# Altium PCB SPG300 Rev05.PcbDoc (part 2 of 8) (continued)
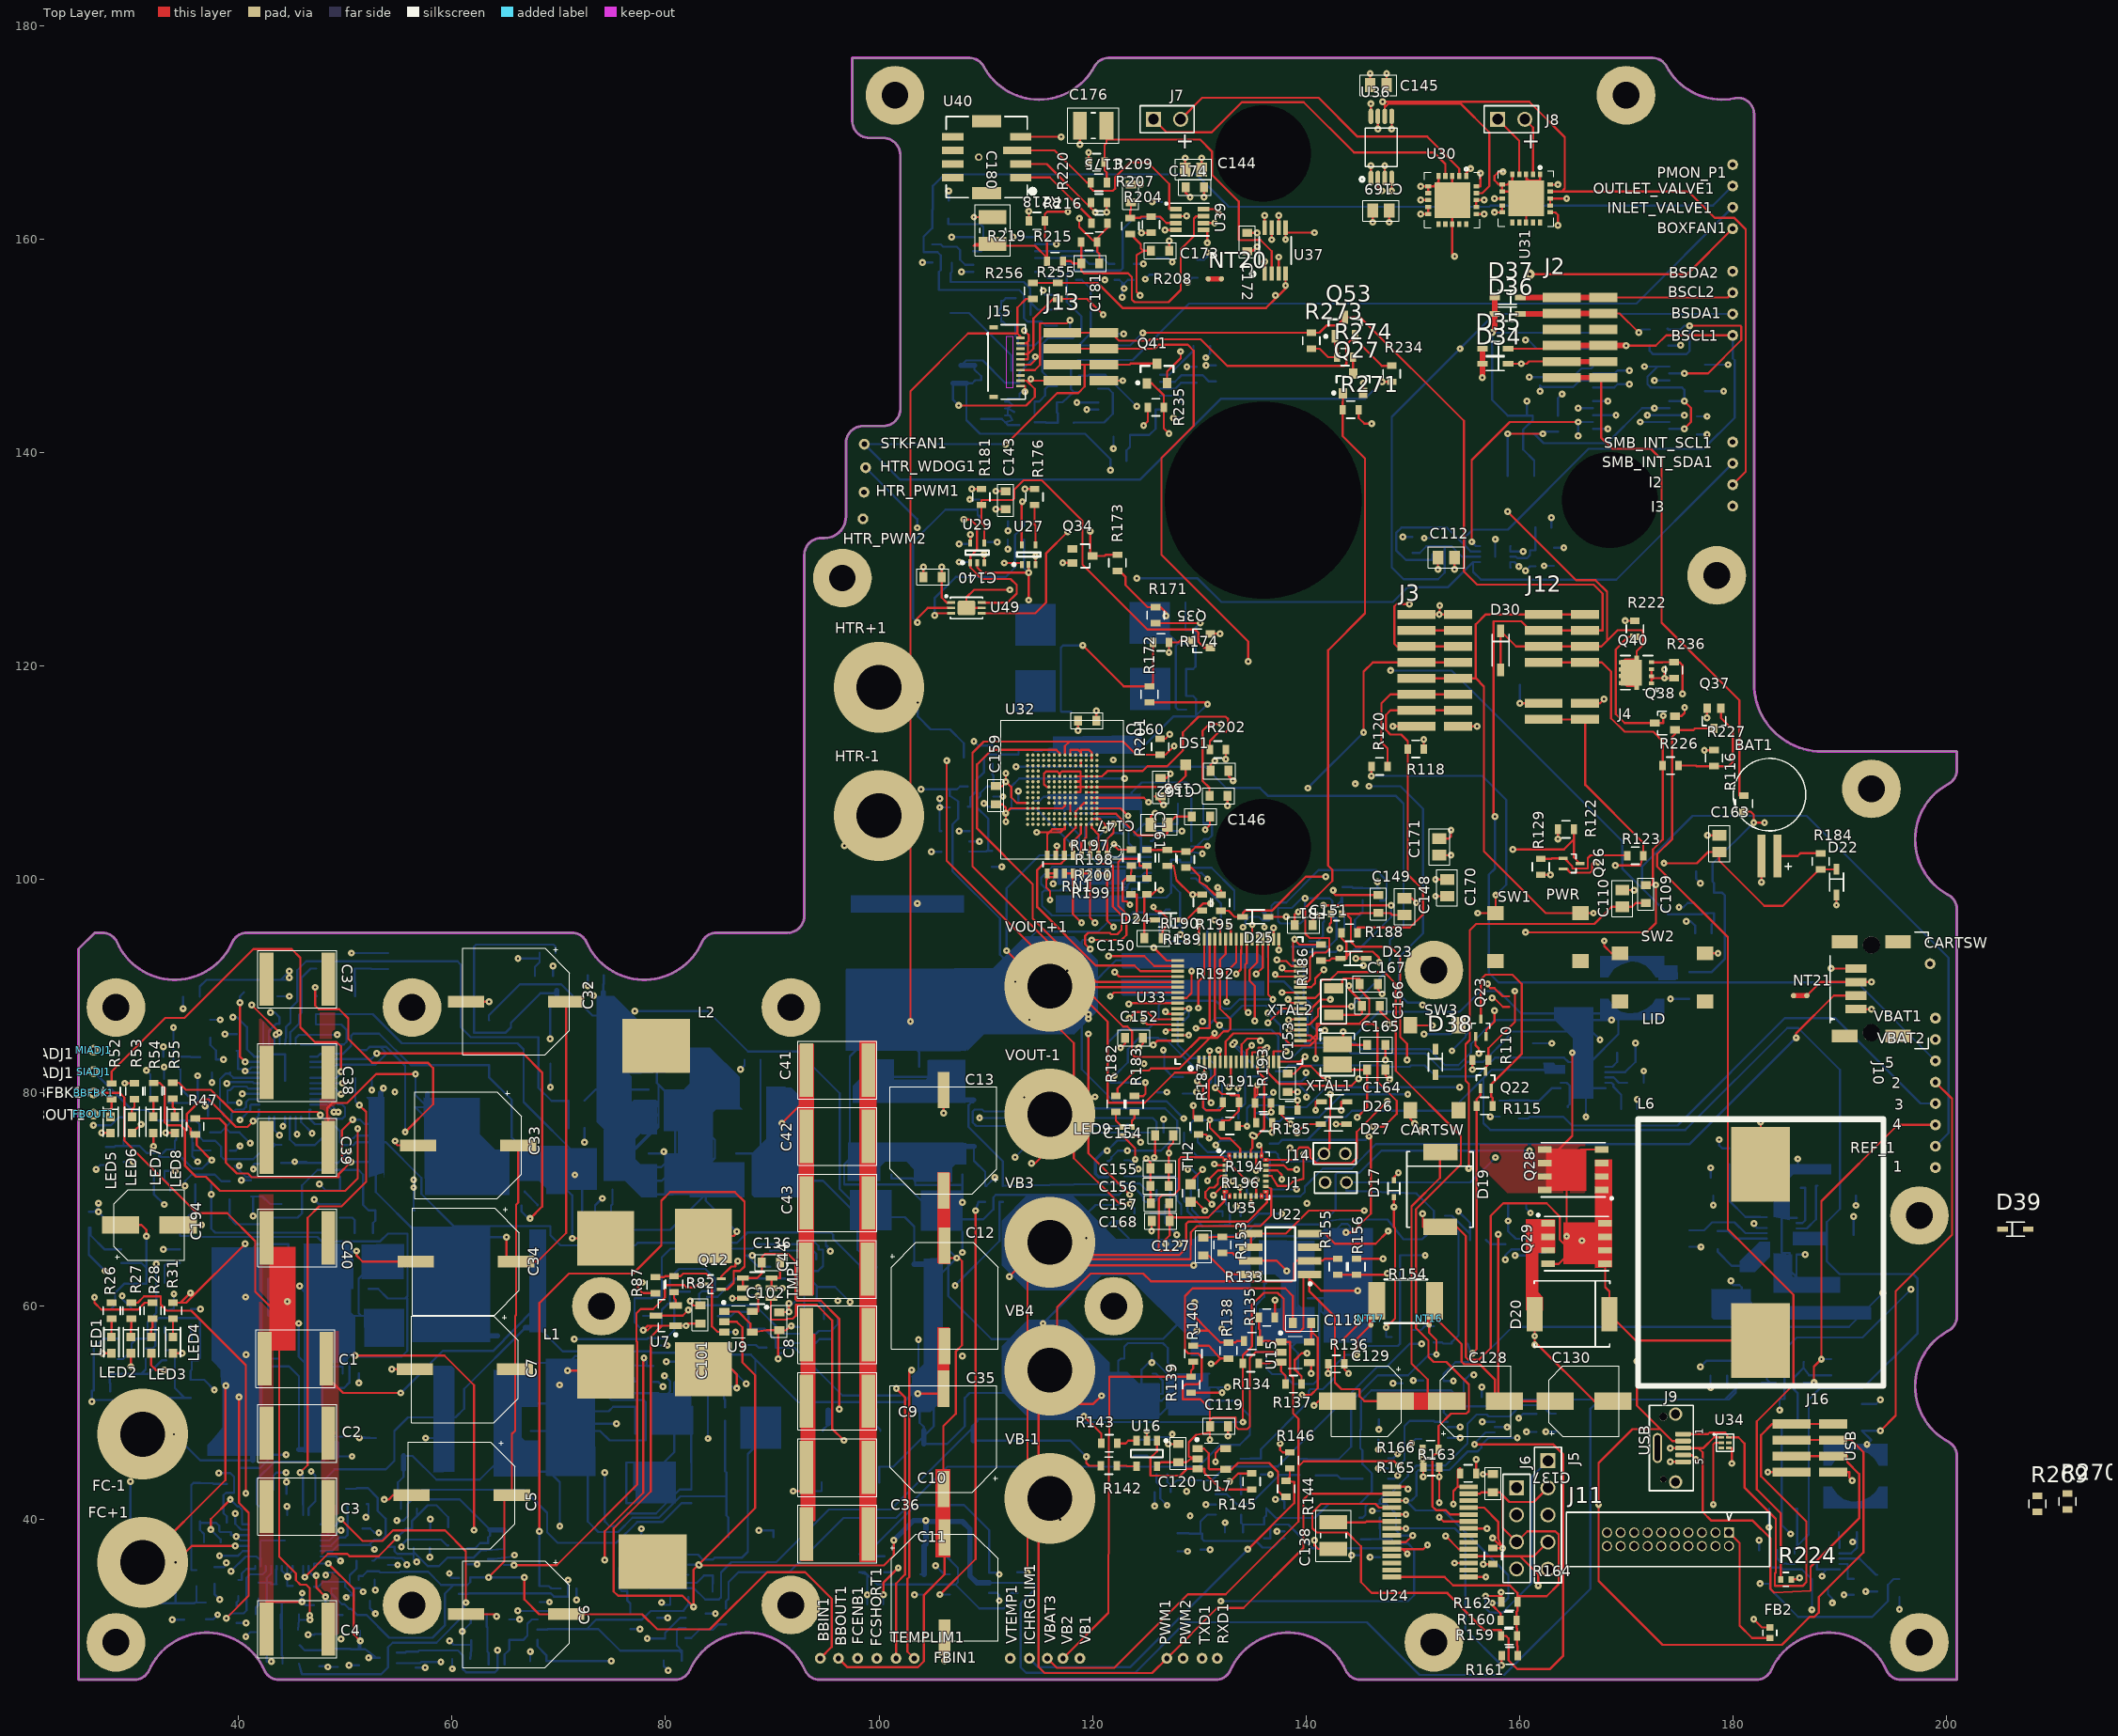
[diagram p0: Top Layer view]
## Components (designator, comment, footprint, x,y, rotation, side; value= is the part's Value field where it differs from the comment) (continued)
XTAL2 "XTAL1" CTS-TF32L 142.601,88.55 r270 top value=8MHz

## Footprints (in the part's own frame and the unit in brackets; to place one, negate y for a bottom-side part, rotate by r counter-clockwise, add the part's x,y. Pads: shape width x height; smd on the part's side, far side on the other; paste and mask are expansions set on the pad)
3221-20-0100 [mm] "CnC Tech 20Pos Header 1.27mm Pitch Verticle TH"
  rect 0.954x0.954 hole 0.7 unplated: 1(5.715,0.635)
  round 0.954 hole 0.7 unplated: 2(5.715,-0.635) 3(4.445,0.635) 4(4.445,-0.635) 5(3.175,0.635) 6(3.175,-0.635) 7(1.905,0.635) 8(1.905,-0.635) 9(0.635,0.635) 10(0.635,-0.635) 11(-0.635,0.635) 12(-0.635,-0.635) 13(-1.905,0.635) 14(-1.905,-0.635) 15(-3.175,0.635) 16(-3.175,-0.635) 17(-4.445,0.635) 18(-4.445,-0.635) 19(-5.715,0.635) 20(-5.715,-0.635)
  silkscreen extent -9.53,-2.54 9.53,2.54, body extent -9.5,-2.55 9.5,2.58, height 5.4
7466003 [mm] "Wurth 7466003 Power Connector"
  rect 1.5x1.5 smd: 1(0.075,-3.15)
  body extent -3.5,-3.5 3.5,3.5, height 5.05
BGA-153 [mm] "Micron BGA-153 ball grid 0.5 pitch"
  round 0.3 smd mask+0.05: A1(-3.25,3.25) A2(-2.75,3.25) A3(-2.25,3.25) A4(-1.75,3.25) A5(-1.25,3.25) A6(-0.75,3.25) A7(-0.25,3.25) A8(0.25,3.25) A9(0.75,3.25) A10(1.25,3.25) A11(1.75,3.25) A12(2.25,3.25) A13(2.75,3.25) A14(3.25,3.25) B1(-3.25,2.75) B2(-2.75,2.75) B3(-2.25,2.75) B4(-1.75,2.75) B5(-1.25,2.75) B6(-0.75,2.75) B7(-0.25,2.75) B8(0.25,2.75) B9(0.75,2.75) B10(1.25,2.75) B11(1.75,2.75) B12(2.25,2.75) B13(2.75,2.75) B14(3.25,2.75) C1(-3.25,2.25) C2(-2.75,2.25) C3(-2.25,2.25) C4(-1.75,2.25) C5(-1.25,2.25) C6(-0.75,2.25) C7(-0.25,2.25) C8(0.25,2.25) C9(0.75,2.25) C10(1.25,2.25) C11(1.75,2.25) C12(2.25,2.25) C13(2.75,2.25) C14(3.25,2.25) D1(-3.25,1.75) D2(-2.75,1.75) D3(-2.25,1.75) D4(-1.75,1.75) D12(2.25,1.75) D13(2.75,1.75) D14(3.25,1.75) E1(-3.25,1.25) E2(-2.75,1.25) E3(-2.25,1.25) E5(-1.25,1.25) E6(-0.75,1.25) E7(-0.25,1.25) E8(0.25,1.25) E9(0.75,1.25) E10(1.25,1.25) E12(2.25,1.25) E13(2.75,1.25) E14(3.25,1.25) F1(-3.25,0.75) F2(-2.75,0.75) F3(-2.25,0.75) F5(-1.25,0.75) F6(-0.75,0.75) F7(-0.25,0.75) F8(0.25,0.75) F9(0.75,0.75) F10(1.25,0.75) F12(2.25,0.75) F13(2.75,0.75) F14(3.25,0.75) G1(-3.25,0.25) G2(-2.75,0.25) G3(-2.25,0.25) G5(-1.25,0.25) G6(-0.75,0.25) G7(-0.25,0.25) G8(0.25,0.25) G9(0.75,0.25) G10(1.25,0.25) G12(2.25,0.25) G13(2.75,0.25) G14(3.25,0.25) H1(-3.25,-0.25) H2(-2.75,-0.25) H3(-2.25,-0.25) H5(-1.25,-0.25) H6(-0.75,-0.25) H7(-0.25,-0.25) H8(0.25,-0.25) H9(0.75,-0.25) H10(1.25,-0.25) H12(2.25,-0.25) H13(2.75,-0.25) H14(3.25,-0.25) J1(-3.25,-0.75) J2(-2.75,-0.75) J3(-2.25,-0.75) J5(-1.25,-0.75) J6(-0.75,-0.75) J7(-0.25,-0.75) J8(0.25,-0.75) J9(0.75,-0.75) J10(1.25,-0.75) J12(2.25,-0.75) J13(2.75,-0.75) J14(3.25,-0.75) K1(-3.25,-1.25) K2(-2.75,-1.25) K3(-2.25,-1.25) K5(-1.25,-1.25) K6(-0.75,-1.25) K7(-0.25,-1.25) K8(0.25,-1.25) K9(0.75,-1.25) K10(1.25,-1.25) K12(2.25,-1.25) K13(2.75,-1.25) K14(3.25,-1.25) L1(-3.25,-1.75) L2(-2.75,-1.75) L3(-2.25,-1.75) L12(2.25,-1.75) L13(2.75,-1.75) L14(3.25,-1.75) M1(-3.25,-2.25) M2(-2.75,-2.25) M3(-2.25,-2.25) M4(-1.75,-2.25) M5(-1.25,-2.25) M6(-0.75,-2.25) M7(-0.25,-2.25) M8(0.25,-2.25) M9(0.75,-2.25) M10(1.25,-2.25) M11(1.75,-2.25) M12(2.25,-2.25) M13(2.75,-2.25) M14(3.25,-2.25) N1(-3.25,-2.75) N2(-2.75,-2.75) N3(-2.25,-2.75) N4(-1.75,-2.75) N5(-1.25,-2.75) N6(-0.75,-2.75) N7(-0.25,-2.75) N8(0.25,-2.75) N9(0.75,-2.75) N10(1.25,-2.75) N11(1.75,-2.75) N12(2.25,-2.75) N13(2.75,-2.75) N14(3.25,-2.75) P1(-3.25,-3.25) P2(-2.75,-3.25) P3(-2.25,-3.25) P4(-1.75,-3.25) P5(-1.25,-3.25) P6(-0.75,-3.25) P7(-0.25,-3.25) P8(0.25,-3.25) P9(0.75,-3.25) P10(1.25,-3.25) P11(1.75,-3.25) P12(2.25,-3.25) P13(2.75,-3.25) P14(3.25,-3.25)
  silkscreen extent -5.75,-6.5 5.75,6.5, body extent -5.75,-6.5 5.75,6.5, height 1
"C&K PTE645-SMT" [mm] "C&K Momentary SPST TAC Switch"
  rect 1.55x1.3 smd: 1(-3.975,2.25) 2(3.975,2.25) 3(-3.975,-2.25) 4(3.975,-2.25)
  body extent -4.5,-3 4.5,3, height 4.3
"CAPAE CASE 10.2mm x 10.5mm" [mm] "Capacitor, Aluminum Elecrolytic , Polarized, Case 10.2mm x 10.5mm"
  rect 1.1x3.4 smd: 1(0,4.7) 2(0,-4.7)
  silkscreen extent -5.08,-5 5,5, body extent -5.25,-6.03 5.25,5.97, height 10.5
"CAPAE CASE D8" [mm] "Capacitor, Aluminum Elecrolytic , Polarized, Case D8 6.3 x 7.7"
  rect 1.6x3.5 smd: 1(0,2.7) 2(0,-2.7)
  silkscreen extent -3.3,-3.3 3.3,3.3, body extent -3.3,-3.56 3.3,3.44, height 7.7
"CAPC 0402 (1005 Metric)_H0.55N" [mm] "Chip Capacitor, Body 1.0x 0.5mm,Height 0.55mm, IPC Medium Density"
  rect 0.43x0.62 smd mask+0.07: 1(-0.575,0) 2(0.575,0)
  silkscreen extent -0.92,-0.46 0.92,0.46, body extent -0.6,-0.25 0.4,0.25, height 0.59
"CAPC 0603 (1608 Metric) H0.8L" [mm] "Chip Capacitor, Body 1.6x0.8mm, Height 0.8mm, IPC High Density"
  rect 0.75x0.95 smd: 1(-0.85,0) 2(0.85,0)
  silkscreen extent -1.5,-0.75 1.5,0.75, body extent -0.8,-0.4 0.8,0.4, height 0.8
"CAPC 0805 (2012 Metric)_H0.85" [mm] "Chip Capacitor, 2-Leads, Body 2.00x1.25mm, IPC High Density"
  rect 1x1.3 smd: 1(-0.775,0) 2(0.775,0)
  silkscreen extent -1.7,-1 1.7,1, body extent -1.05,-0.63 1.05,0.63, height 0.9
"CAPC 0805 (2012 Metric)_H1.25" [mm] "Chip Capacitor, 2-Leads, Body 2.00x1.25mm, IPC High Density"
  rect 1x1.3 smd: 1(-0.775,0) 2(0.775,0)
  silkscreen extent -1.7,-1 1.7,0.96, body extent -1.05,-0.63 1.05,0.63, height 1.26
"CAPC 1210 (3225 Metric)_H1.9" [mm] "Chip Capacitor, 2-Leads, Body 3.15x2.50mm, IPC High Density"
  rect 1.3x2.6 smd: 1(-1.25,0) 2(1.25,0)
  silkscreen extent -2.4,-1.65 2.4,1.65, body extent -1.7,-1.35 1.7,1.35, height 2
"CAPC 1210 (3225 Metric)_H2.5" [mm] "Chip Capacitor, 2-Leads, Body 3.15x2.50mm, IPC High Density"
  rect 1.3x2.6 smd: 1(-1.25,0) 2(1.25,0)
  silkscreen extent -2.4,-1.65 2.4,1.65, body extent -1.7,-1.35 1.7,1.35, height 2.5
"CAPC 1210 (3225 Metric)_H2.8" [mm] "Chip Capacitor, 2-Leads, Body 3.15x2.50mm, IPC High Density"
  rect 1.3x2.6 smd: 1(-1.25,0) 2(1.25,0)
  silkscreen extent -2.4,-1.65 2.4,1.65, body extent -1.7,-1.38 1.7,1.35, height 2.8
"CAPC 2220 (5750 Metric)" [mm] "Chip Capacitor, Body 5.7x5.0mm, Height 2.5mm, IPC Medium Density"
  rect 1.3x5 smd: 1(-2.9,0) 2(2.9,0)
  silkscreen extent -3.7,-2.7 3.7,2.7, body extent -2.85,-3.3 2.85,2.5, height 2.58
"CONN FPC 10 Pos 0.5mm T+B RA SMD" [mm] "Omron XF2W-1015 10Pos Top+Bottom Contact  0.5mm Pitch"
  rect 0.25x0.8 smd mask+0.065: 1(-2.25,1.25) 2(-1.75,1.25) 3(-1.25,1.25) 4(-0.75,1.25) 5(-0.25,1.25) 6(0.25,1.25) 7(0.75,1.25) 8(1.25,1.25) 9(1.75,1.25) 10(2.25,1.25)
  rect 0.4x0.8 smd mask+0.065: 11(-3.25,-1.25) 12(3.25,-1.25)
  Top Layer keep-out region: -2.375,0.575 -2.375,-0.1 2.375,-0.1 2.375,0.575
  silkscreen extent -3.5,-1.9 3.5,1.72, body extent -3.5,-1.85 3.5,1.65, height 1.09
"CONN HDR 2Pos 2mm TH" [mm] "Header 2 Position 2.0mm Pitch Through Hole"
  round 1.2 hole 0.8: 1(-2,0) 2(0,0)
  silkscreen extent -3,-1 1,1, body extent -3,-1 1,1, height 5.9
"CONN Hdr 4Pos 2.54mm VERT TH" [mm] "Header 4 Position 2.54mm Pitch Verticle Through Hole"
  rect 1.4x1.4 / inner round 1.2 / far side round 1.2 hole 1: 1(-3.81,0)
  round 1.4 / inner round 1.2 / far side round 1.2 hole 1: 2(-1.27,0) 3(1.27,0) 4(3.81,0)
  silkscreen extent -5.08,-1.27 5.08,1.27, body extent -5.08,-1.27 5.08,1.27, height 8.34
"CONN Hdr 5Pos 2.54mm" [mm] "Header 5 Position 2.54mm Pitch"
  rect 1.4x1.4 hole 1: 1(5.08,0)
  round 1.4 hole 1: 2(2.54,0) 3(0,0) 4(-2.54,0) 4(-2.54,0)
  round 1.4 hole 1 paste-0.2: 5(-5.08,0)
  silkscreen extent -6.35,-1.27 6.35,1.27, body extent -6.35,-1.27 6.35,1.27, height 8.34
"CONN Rect 4Pos 1.27mm Verticle Entry SMT" [mm] "ERNI 284697 Top Entry"
  rect 0.8x2 smd: 1(1.905,-1.45) 2(0.635,-1.45) 3(-0.635,-1.45) 4(-1.905,-1.45)
  rect 1.2x2.4 smd: 5(4.415,-2.5) 6(-4.415,-2.5)
  rect 1.2x2.4 smd mask+0.05: 7(-4.415,2.5) 8(4.415,2.5)
  round 1.6 hole 1.6 unplated mask+0.05: 9(-4.115,0) 10(4.115,0)
  silkscreen extent -5.3,-3.88 5.6,5.33, body extent -5.08,-3.43 5.08,3.57, height 5.2
"CONN USB Micro B Vert - GCT3160" [mm] "GCT USB3160-30-0120-0-C"
  rrect50% 0.45x1.5 smd mask+0.065: 1(1.3,-1.35) 2(0.65,-1.35) 3(0,-1.35) 4(-0.65,-1.35) 5(-1.3,-1.35)
  round 1.25 hole 0.85: 6(-3.18,-0.65)
  round 1.25 hole 0.85 unplated: 7(3.18,-0.65)
  round 0.75 hole 0.75 unplated paste-4 mask-4: 22(2.925,0.5)
  round 0.6 hole 0.6 unplated paste-4 mask-4: 23(-2.925,0.5)
  oval 2.8x0.9 hole 0.5 slot 2.4 at 0 deg: 23(0,1.05)
  silkscreen extent -4,-2.3 4,1.8, body extent -3.68,-1.55 3.82,1.46, height 5.3
CTS-TF32L [mm] "CTS Crystal TF32 Series 3.2 x 1.5 h=0.8mm"
  rect 1x1.8 smd: 1(-1.25,0) 2(1.25,0)
  silkscreen extent -2.08,-1.2 2.07,1.2, body extent -1.6,-0.75 1.6,0.75, height 0.8
DFN3x3-8EP_N [mm] "DFN3x3 h=0.9mm, 8 Lead, Pitch 0.65mm Exposed Pad"
  rect 0.6x0.4 smd: D1(1.35,-0.975) D2(1.35,-0.325) D3(1.35,0.325) D4(1.35,0.975)
  rect 0.43x0.76 smd: D4(0,-1.225) D4(0,1.225)
  rect 2x2.45 smd: D4(0.51,0)
  rect 0.5x0.35 smd: G(-1.4,-0.975) S1(-1.4,0.975) S2(-1.4,0.325) S3(-1.4,-0.325)
  silkscreen extent -2,-1.6 1.5,1.7, body extent -1.43,-1.62 1.57,1.38, height 0.9
DFN6-EP_LTC [mm] "DFN6 Body 2.0 x 3.0 H0.75 LTC 05-08-1715A"
  rect 0.75x0.25 smd paste-0.02 mask+0.065: 1(-1.425,0.5) 2(-1.425,0) 3(-1.425,-0.5) 4(1.425,-0.5) 5(1.425,0) 6(1.425,0.5)
  rrect20% 1.65x1.35 smd paste-0.175 mask+0.05: 7(0,0)
  silkscreen extent -2,-1 1.5,1.2, body extent -1.5,-1 1.5,1, height 0.75
"DFN10-EP - LTC" [mm] "LTC DFN10 w/EP Body 3.0x3.0mm Pitch .5 Height: .75mm"
  rect 0.675x0.25 smd mask+0.05: 1(-1.412,1) 2(-1.412,0.5) 3(-1.412,0) 4(-1.412,-0.5) 5(-1.412,-1) 6(1.413,-1) 7(1.413,-0.5) 8(1.413,0) 9(1.413,0.5) 10(1.413,1)
  rect 1.65x2.38 smd paste-1 mask+0.05: 11(0,0)
  silkscreen extent -2.25,-1.63 1.87,1.63, body extent -1.5,-1.5 1.5,1.5, height 1
DFN16-EP [mm] "LTC Ref DWG#05-08-1707"
  rect 0.7x0.25 smd paste-0.2: 1(-1.9,1.75) 2(-1.9,1.25) 3(-1.9,0.75) 4(-1.9,0.25) 5(-1.9,-0.25) 6(-1.9,-0.75) 7(-1.9,-1.25) 8(-1.9,-1.75) 9(1.9,-1.75) 10(1.9,-1.25) 11(1.9,-0.75) 12(1.9,-0.25) 13(1.9,0.25) 14(1.9,0.75) 15(1.9,1.25) 16(1.9,1.75)
  rrect25% 2.44x4.34 smd paste-0.2: 17(0,0)
  silkscreen extent -2.43,2.18 -2.18,2.42, body extent -2,-2.5 2,2.5, height 0.75
DFN1410-6 [mm]
  rect 0.525x0.25 smd mask+0.05: 1(-0.363,0.5) 2(-0.363,0) 3(-0.363,-0.5) 4(0.363,-0.5) 5(0.363,0) 6(0.363,0.5)
  silkscreen extent -1.1,-0.83 0.82,0.85, body extent -0.5,-0.7 0.5,0.7, height 0.4
DO214AB-SMC [mm] "DO214AB (SMC)  7.11mm x 6.22mm x 2.45mm Diode"
  rect 1.52x3.2 smd: A(3.5,0)
  rect 1.52x3.21 smd: C(-3.5,0)
  silkscreen extent -3.55,-3.13 3.55,3.07, body extent -4.05,-3.13 4,3.12, height 2.94
DO214AC-SMA [mm] "DO214AC (SMA)  4.5mm x 2.8mm x 2.3mm Diode"
  rect 1.52x1.68 smd: A(1.7,0) C(-1.7,0)
  silkscreen extent -2.25,-1.4 2.25,1.4, body extent -2.85,-1.47 2.75,1.48, height 2.9
DO214AD-SMB [mm] "DO214AC (SMA)  4.5mm x 3.95mm x 2.45mm Diode"
  rect 1.62x2.18 smd: A(2.11,0) C(-2.11,0)
  silkscreen extent -2.25,-1.4 2.25,1.4, body extent -2.79,-1.97 2.79,1.97, height 2.65
"FB 0402 (1005 Metric)_L" [mm] "Ferrite Bead , Body 1.0x0.5mm, Height 0.5mm, IPC High Density"
  rect 0.6x0.65 smd mask+0.07: 1(-0.5,0) 2(0.5,0)
  silkscreen extent -0.25,-0.65 0.25,0.65, body extent -0.5,-0.25 0.5,0.25, height 0.5
"FDK ML621 Battery" [mm] "Panasonic Battery - Lithium Magnanese 3V 5.8mAh Coin 6.8 x 2.1 w/SMD Tabs"
  rect 0.75x4 smd: MINUS(-0.75,-5.75) PLUS(0.75,-5.75)
  silkscreen extent -3.4,-7.02 3.4,3.4, body extent -3.45,-3.37 3.35,3.43, height 2.1
"ICSP1451 Top Barb" [mm] "Measurement Specialities Pressure Sensor"
  rect 2.02x0.71 smd: 1(-3.18,1.905) 2(-3.18,0.635) 4(-3.18,-1.905) 5(3.18,-1.905) 6(3.18,-0.635) 7(3.18,0.635) 8(3.18,1.905)
  rect 2.65x0.71 smd: 3(-2.865,-0.635)
  rect 2.74x1.14 smd: 9(0,3.36) 10(0,-3.36)
  round 0.7 hole 0.4: 11(0.76,0)
  silkscreen extent -4.6,-3.8 3.8,3.8, body extent -3.83,-3.83 3.79,3.79, height 9.14
IND-MDWK4040 [mm] "Inductor, MDWK4040 Body 4.0X4.0mm, Height  1.0mm"
  rect 1.2x3.7 smd: 1(-1.4,0) 2(1.4,0)
  silkscreen extent -2.25,-2.25 2.25,2.25, body extent -2,-2 2,2, height 1
IND-MSS6132 [mm] "Coilcraft 6132Pkg Inductor 6.0 x 6.0 H=3.0mm"
  rect 0.4x0.4 smd paste-0.02 mask+0.065: 1(0.1,2.7) 2(0.1,-2.7)
  Top Layer region: -3,3 -3,1 -2.221,1 -2.206,1.003 -2.193,1.011 -2.185,1.024 -2.182,1.039 -2.182,1.039 -1.7,1.7 -1.1,2.2 -0.3,2.4 0.6,2.3 1.4,1.9 1.9,1.5 2.2,1 3,1 3,3
  Top Layer region: -3,-3 -3,-1 -2.225,-1 -1.7,-1.8 -1,-2.2 -0.1,-2.5 0.6,-2.4 1.3,-2.1 1.8,-1.6 2.221,-1.009 3,-1 3,-3
  Top Layer region: -2.7,1.2
  Top Layer keep-out lines w0.254: -2.225,-1 ccw(c0,0) 2.221,-1.009 ; -2.182,1.039 cw(c0,0) 2.2,1
  body extent -2.8,-2.8 2.8,2.8, height 2.85
IND-WE-7443641500 [mm] "Wurth 15uH, 30A"
  rect 5.33x5.08 smd: 1(-4.225,-9.232) 2(4.95,-9.008)
  rect 6.35x5.08 smd: ""(0.525,8.808)
  body extent -10.39,-10.83 11.11,10.17, height 14
IND-XEL4030 [mm] "Coilcraft XEL4030 4.0x4.0"
  rect 3.4x0.98 smd mask+0.05: 1(0,1.185) 2(0,-1.185)
  silkscreen extent -2.1,-2.1 2.1,2.1, body extent -2,-2 2,2, height 3.1
LED0603 [mm] "SingleLED EIA0603 Case"
  rect 0.8x0.8 smd: A(0,0.75) C(0,-0.75)
  silkscreen extent -0.7,-1.67 0.7,1.07, body extent -0.4,-0.8 0.4,0.8, height 0.8
LQFP64P [mm] "QFN, 64-Leads, ST Micro - Body 7.5 x 7.5mm, Pitch 0.5mm, IPC Low Density"
  rect 1.2x0.3 smd mask+0.05: 1(-5.75,3.75) 2(-5.75,3.25) 3(-5.75,2.75) 4(-5.75,2.25) 5(-5.75,1.75) 6(-5.75,1.25) 7(-5.75,0.75) 8(-5.75,0.25) 9(-5.75,-0.25) 10(-5.75,-0.75) 11(-5.75,-1.25) 12(-5.75,-1.75) 13(-5.75,-2.25) 14(-5.75,-2.75) 15(-5.75,-3.25) 16(-5.75,-3.75) 33(5.75,-3.75) 34(5.75,-3.25) 35(5.75,-2.75) 36(5.75,-2.25) 37(5.75,-1.75) 38(5.75,-1.25) 39(5.75,-0.75) 40(5.75,-0.25) 41(5.75,0.25) 42(5.75,0.75) 43(5.75,1.25) 44(5.75,1.75) 45(5.75,2.25) 46(5.75,2.75) 47(5.75,3.25) 48(5.75,3.75)
  rect 0.3x1.2 smd mask+0.05: 17(-3.75,-5.75) 18(-3.25,-5.75) 19(-2.75,-5.75) 20(-2.25,-5.75) 21(-1.75,-5.75) 22(-1.25,-5.75) 23(-0.75,-5.75) 24(-0.25,-5.75) 25(0.25,-5.75) 26(0.75,-5.75) 27(1.25,-5.75) 28(1.75,-5.75) 29(2.25,-5.75) 30(2.75,-5.75) 31(3.25,-5.75) 32(3.75,-5.75) 49(3.75,5.75) 50(3.25,5.75) 51(2.75,5.75) 52(2.25,5.75) 53(1.75,5.75) 54(1.25,5.75) 55(0.75,5.75) 56(0.25,5.75) 57(-0.25,5.75) 58(-0.75,5.75) 59(-1.25,5.75) 60(-1.75,5.75) 61(-2.25,5.75) 62(-2.75,5.75) 63(-3.25,5.75) 64(-3.75,5.75)
  silkscreen extent -6.53,-5.97 5.97,6, body extent -5.75,-5.75 5.75,5.75, height 1.6
"Molex 0874370273" [mm] "Pico-Spox 2 Pos 1.5mm pitch"
  rect 0.85x2.65 smd: 1(-0.75,2.175) 2(0.75,2.175)
  rect 0.85x3.55 smd: 1(-0.75,-1.725) 2(0.75,-1.725)
  body extent -2.15,-2.97 2.15,3.03, height 5.73
"Molex 0874370443" [mm] "Pico-Spox 4 Pos 1.5mm pitch"
  rect 0.85x2.65 smd: 1(-2.25,2.175) 2(-0.75,2.175) 3(0.75,2.175) 4(2.25,2.175)
  rect 0.85x3.55 smd: 1(-2.25,-1.725) 2(-0.75,-1.725) 3(0.75,-1.725) 4(2.25,-1.725)
  body extent -3.6,-3.1 3.7,2.9, height 5.68
"Molex 0874370643" [mm] "Pico-Spox 6 Pos 1.5mm pitch"
  rect 0.85x2.65 smd: 1(-3.75,2.175) 2(-2.25,2.175) 3(-0.75,2.175) 4(0.75,2.175) 5(2.25,2.175) 6(3.75,2.175)
  rect 0.85x3.55 smd: 1(-3.75,-1.725) 2(-2.25,-1.725) 3(-0.75,-1.725) 4(0.75,-1.725) 5(2.25,-1.725) 6(3.75,-1.725)
  body extent -5.17,-3.1 5.13,2.9, height 5.72
"Molex 0874370843" [mm] "Pico-Spox Vert 8 Pos 1.5mm pitch"
  rect 0.85x2.65 smd: 1(-5.25,2.175) 2(-3.75,2.175) 3(-2.25,2.175) 4(-0.75,2.175) 5(0.75,2.175) 6(2.25,2.175) 7(3.75,2.175) 8(5.25,2.175)
  rect 0.85x3.55 smd: 1(-5.25,-1.725) 2(-3.75,-1.725) 3(-2.25,-1.725) 4(-0.75,-1.725) 5(0.75,-1.725) 6(2.25,-1.725) 7(3.75,-1.725) 8(5.25,-1.725)
  body extent -5.17,-3.1 5.13,2.9, height 5.72
MQFN20-EP [mm] "Microchip VQFN20 Exposed Pad"
  rect 0.55x0.4 smd mask+0.05: 1(-2.25,1.3) 2(-2.25,0.65) 3(-2.25,0) 4(-2.25,-0.65) 5(-2.25,-1.3) 11(2.25,-1.3) 12(2.25,-0.65) 13(2.25,0) 14(2.25,0.65) 15(2.25,1.3)
  rect 0.4x0.55 smd mask+0.05: 6(-1.3,-2.25) 7(-0.65,-2.25) 8(0,-2.25) 9(0.65,-2.25) 10(1.3,-2.25) 16(1.3,2.25) 17(0.65,2.25) 18(0,2.25) 19(-0.65,2.25) 20(-1.3,2.25)
  rect 3.35x3.35 smd mask+0.05: 21(0,0)
  silkscreen extent -3.04,-2.6 2.6,2.6, body extent -2.5,-2.5 2.5,2.5, height 1
MSOP10-EP [mm] "LTC MSop 10 w/Exposed Pad. Pitch 0.5 Height 1.1mm"
  rect 0.889x0.305 smd mask+0.065: 1(-2.105,1) 2(-2.105,0.5) 3(-2.105,0) 4(-2.105,-0.5) 5(-2.105,-1) 6(2.105,-1) 7(2.105,-0.5) 8(2.105,0) 9(2.105,0.5) 10(2.105,1)
  rect 1.88x1.68 smd: 11(0,0)
  silkscreen extent -2.54,-1.5 1.5,1.64, body extent -1.5,-1.5 1.5,1.5, height 1.1
NET_TIE_0.5mm [mm] "Tie two nets together - 0.5mm"
  round 0.5 smd paste-1 mask-1: 1(-0.25,0) 2(1,0)
  Top Layer lines w0.5: -0.25,0 1,0
NX3225 [mm] "NDK Crystal 3.2 x 2.5 height: 1mm"
  rect 1.5x2.7 smd mask+0.05: 1(-0.95,0) 2(0.95,0)
  silkscreen extent -2.4,-1.7 2,1.6, body extent -1.6,-1.25 1.6,1.25, height 1
Power56_L [mm] "Farichild Power 56 (5 x 6) h=1.10mm, 8 Lead, Pitch 1.27mm Exposed Pad"
  rect 1.27x0.61 smd: D1(2.67,-1.905) D2(2.67,-0.635) D3(2.67,0.635) D4(2.67,1.905) G(-2.67,-1.905) S1(-2.67,1.905) S2(-2.67,0.635) S3(-2.67,-0.635)
  Top Layer region: -1.2,1.975 -1.2,-1.925 2.55,-1.925 2.55,1.975
  silkscreen extent -3.7,-2.55 3,2.77, body extent -3,-2.5 3,2.5, height 1.1
"QFN24-EP-LTC UDD" [mm] "LTC QFN24 Exposed Pad. Pitch 0.5, Height 0.75mm"
  rect 0.7x0.25 smd mask+0.05: 1(-1.4,1.7) 2(-1.4,1.2) 3(-1.4,0.7) 4(-1.4,0.25) 5(-1.4,-0.25) 6(-1.4,-0.75) 7(-1.4,-1.25) 8(-1.4,-1.75) 13(1.4,-1.75) 14(1.4,-1.25) 15(1.4,-0.75) 16(1.4,-0.25) 17(1.4,0.25) 18(1.4,0.75) 19(1.4,1.25) 20(1.4,1.75)
  rect 0.25x0.7 smd mask+0.05: 9(-0.75,-2.4) 10(-0.25,-2.4) 11(0.25,-2.4) 12(0.75,-2.4) 21(0.75,2.4) 22(0.25,2.4) 23(-0.25,2.4) 24(-0.75,2.4)
  rect 1.65x3.65 smd mask+0.05: 25(0,0)
  silkscreen extent -2.02,-2.6 1.6,2.68, body extent -1.5,-2.5 1.5,2.5, height 0.75
QFN38 [mm] "LTC DWG #05-08-1701 Rev C"
  rect 0.25x0.7 smd: 1(2.75,2.4) 2(2.25,2.4) 3(1.75,2.4) 4(1.25,2.4) 5(0.75,2.4) 6(0.25,2.4) 7(-0.25,2.4) 8(-0.75,2.4) 9(-1.25,2.4) 10(-1.75,2.4) 11(-2.25,2.4) 12(-2.75,2.4) 20(-2.75,-2.4) 21(-2.25,-2.4) 22(-1.75,-2.4) 23(-1.25,-2.4) 24(-0.75,-2.4) 25(-0.25,-2.4) 26(0.25,-2.4) 27(0.75,-2.4) 28(1.25,-2.4) 29(1.75,-2.4) 30(2.25,-2.4) 31(2.75,-2.4)
  rect 0.7x0.25 smd: 13(-3.4,1.5) 14(-3.4,1) 15(-3.4,0.5) 16(-3.4,0) 17(-3.4,-0.5) 18(-3.4,-1) 19(-3.4,-1.5) 32(3.4,-1.5) 33(3.4,-1) 34(3.4,-0.5) 35(3.4,0) 36(3.4,0.5) 37(3.4,1) 38(3.4,1.5)
  rect 5.15x3.15 smd: 39(0,0)
  silkscreen extent -4,-3 4.22,3.22, body extent -3.5,-2.5 3.5,2.5, height 0.75
QSOP16 [mm] "Analog Devices Pitch 0.64"
  rect 1.55x0.4 smd: 1(-2.7,2.24) 2(-2.7,1.6) 3(-2.7,0.96)
  rect 1.55x0.4 smd paste-0.2: 4(-2.7,0.32) 5(-2.7,-0.32) 6(-2.7,-0.96) 7(-2.7,-1.6) 8(-2.7,-2.24) 9(2.7,-2.24) 10(2.7,-1.6) 11(2.7,-0.96) 12(2.7,-0.32) 13(2.7,0.32) 14(2.7,0.96) 15(2.7,1.6) 16(2.7,2.24)
  silkscreen extent -3.4,-2.5 1.3,3.25, body extent -1.95,-2.45 1.95,2.45, height 1.75
"RESC 0603 (1608 Metric)_N" [mm] "Chip Resistor, Body 1.6x0.8mm, Height 0.45mm, IPC Medium Density"
  rect 0.95x1 smd: 1(-0.825,0) 2(0.825,0)
  silkscreen extent -0.38,-0.78 0.37,0.78, body extent -0.8,-0.4 0.8,0.4, height 0.45
"RESN 742 h=.35" [mm] "Resistor Network , 8 Res Body 6.4x1.6mm"
  rect 0.9x0.45 smd mask+0.05: 1(-0.85,2.8) 2(-0.85,2) 3(-0.85,1.2) 4(-0.85,0.4) 5(-0.85,-0.4) 6(-0.85,-1.2) 7(-0.85,-2) 8(-0.85,-2.8) 9(0.85,-2.8) 10(0.85,-2) 11(0.85,-1.2) 12(0.85,-0.4) 13(0.85,0.4) 14(0.85,1.2) 15(0.85,2) 16(0.85,2.8)
  silkscreen extent -0.25,-3.2 0.25,3.2, body extent -0.8,-3.2 0.8,3.2, height 0.53
SC70-5 [mm] "SOT23, 3-Leads, Body 1.8x1.35mm, Pitch 0.65mm, IPC High Density"
  rect 0.5x0.4 smd mask+0.05: 1(-0.95,0.65) 2(-0.95,0) 3(-0.95,-0.65) 4(0.95,-0.65) 5(0.95,0.65)
  silkscreen extent -1.9,-1.12 1.45,1.12, body extent -1.15,-1.1 1.25,1.1, height 1.1
"SMD 0402 (1005 Metric)" [mm] "SMD 0402, Metric 1005, Body 1.x0.5mm, Height 0.35mm"
  rect 0.5x0.6 smd mask+0.07: 1(-0.5,0) 2(0.5,0)
  silkscreen extent -0.25,-0.65 0.25,0.65, body extent -0.5,-0.25 0.5,0.25, height 0.35
"SMD 0603 (1608 Metric)" [mm] "Chip Resistor, Body 1.6x0.8mm, Height 0.6mm"
  rect 0.6x0.9 smd: 1(-0.75,0) 2(0.75,0)
  silkscreen extent -0.38,-0.8 0.37,0.8, body extent -0.8,-0.4 0.8,0.4, height 0.45
"SMD 1206 (3216 Metric)" [mm] "SMD 1206, Body 3.2x1.6mm, Height 0.55mm"
  rect 0.9x1.6 smd: 1(-1.45,0) 2(1.45,0)
  silkscreen extent -0.45,-0.92 0.45,0.92, body extent -1.55,-0.75 1.55,0.81, height 0.55
"SMD 2512 (6332 Metric)" [mm] "SMD 2512, Body 6.30x3.20mm"
  rect 1.6x3.5 smd: 1(-2.7,0) 2(2.7,0)
  silkscreen extent -2.02,-2.02 1.99,2.08, body extent -3.15,-1.55 3.15,1.55, height 0.55
SML-P24 [mm] "Pico LED-Duo"
  rect 0.5x0.5 smd mask+0.05: AL(-0.45,0.4) AS(0.45,0.4) CL(-0.45,-0.4) CS(0.45,-0.4)
  silkscreen extent -0.5,-0.55 0.58,0.55, body extent -0.5,-0.5 0.5,0.5, height 0.2
"SMT 1Sq 1.0mm Pad" [mm] "Square Pad 1.0mm"
  rect 1x1 smd: 1(0,0)
  body extent -0.5,-0.5 0.5,0.5, height 0.04
SOD-123-H1.45L [mm] "SOD-123 2.75 x 1.7 Height = 1.45mm"
  rect 1.2x0.7 smd: A(1.85,0) C(-1.8,0)
  silkscreen extent -1.5,-0.8 1.5,0.8, body extent -1.4,-0.83 1.43,0.85, height 1.35
SOD-123N [mm] "SOD-123 2.8 x 1.7 Height = 1.35mm"
  rect 1x0.75 smd: A(1.8,0) C(-1.8,0)
  silkscreen extent -1.5,-0.8 1.5,0.8, body extent -1.43,-0.85 1.43,0.85, height 1.35
SOD-323 [mm] "SOD-323 Height 1.0mm"
  rect 1x0.5 smd: A(1.2,0) C(-1.2,0)
  silkscreen extent -0.85,-0.65 0.85,0.65, body extent -0.9,-0.67 0.9,0.67, height 1
SOD-523L [mm] "SOD-523 Height 0.7mm"
  rect 0.57x0.42 smd: A(0.79,0) C(-0.79,0)
  silkscreen extent -0.5,-0.55 0.58,0.55, body extent -0.65,-0.45 0.65,0.45, height 0.7
SOIC-8 [mm] "SOIC, 8-Leads, B4.0x5.0mm (max), Pitch 1.27mm, IPC Medium Density"
  rect 2.2x0.7 smd: 1(-2.75,1.905) 2(-2.75,0.635) 3(-2.75,-0.635) 4(-2.75,-1.905) 5(2.75,-1.905) 6(2.75,-0.635) 7(2.75,0.635) 8(2.75,1.905)
  silkscreen extent -2.93,-2.5 1.4,2.92, body extent -6.4,-2.5 2.98,2.5, height 2
SOT23-3 [mm] "SOT23-3 IR Micro3, Body 2.9x1.4mm, Pitch 0.95mm"
  rect 0.97x0.8 smd: 1(-0.95,0.95) 2(-0.9,-0.95) 3(0.9,0)
  silkscreen extent -1.02,-1.55 0.7,1.92, body extent -1.28,-1.5 1.27,1.5, height 1
SOT23-3L [mm] "SOT23, 3-Leads, Body 3.0x2.6mm (max), Pitch 0.95mm, IPC High Density"
  rect 1.15x0.6 smd: 1(-0.925,0.95) 2(-0.925,-0.95) 3(0.925,0)
  silkscreen extent -1.05,-1.5 0.7,1.92, body extent -1.27,-1.5 1.28,1.5, height 1
SOT23-5 [mm] "SOT23, 5-Leads, Body 2.9x1.6mm (max), Pitch 0.95mm"
  rect 1x0.66 smd: 1(-1.315,0.95) 2(-1.315,0) 3(-1.315,-0.95) 4(1.315,-0.985) 5(1.315,0.95)
  silkscreen extent -1.5,-1.5 0.65,1.92, body extent -0.8,-1.45 0.8,1.45, height 1.45
"SOT23-5L 3.0x1.5x145" [mm] "SOT23, 5-Leads, Body 3.0x3.0mm (max), Pitch 0.95mm, IPC High Density"
  rect 0.9x0.6 smd: 1(-1.2,0.95) 2(-1.2,0) 3(-1.2,-0.95) 4(1.2,-0.95) 5(1.2,0.95)
  silkscreen extent -1.32,-1.5 0.35,1.93, body extent -1.42,-1.46 1.42,1.46, height 1.06
SOT23-6N [mm] "SOT23, 6-Lead, Body 3.0L x1.75W x 1.1H, Pitch 0.95mm, IPC Medium Density"
  rect 1.1x0.5 smd: 1(-1.35,0.95) 2(-1.35,0) 3(-1.35,-0.95) 4(1.35,-0.95) 6(1.35,0.95)
  rect 1.1x0.5 smd mask+0.065: 5(1.35,0)
  silkscreen extent -1,-1.5 0.65,1.92, body extent -0.7,-1.5 0.7,1.5, height 1.1
SOT23-8-H1.45 [mm] "SOT23, 8-Leads, Body 3.0x1.75mm (max) x 1.45h, Pitch 0.65mm TI DCN"
  rect 1.1x0.45 smd mask+0.07: 1(-1.31,0.975) 2(-1.31,0.325) 3(-1.31,-0.325) 4(-1.31,-0.975) 5(1.31,-0.975) 6(1.31,-0.325) 7(1.31,0.325) 8(1.31,0.975)
  silkscreen extent -2.3,-1.52 1.8,1.6, body extent -0.9,-1.5 0.9,1.5, height 1.45
SOT353-1-5L [mm] "NXP SOT353 5 Lead 0.65 pitch High Density"
  rect 0.65x0.35 smd: 1(-0.925,0.65) 2(-0.925,0) 3(-0.925,-0.65) 4(0.925,-0.65) 5(0.925,0.65)
  silkscreen extent -1.05,-1.1 0.2,1.5, body extent -0.67,-1.12 0.67,1.13, height 1.1
SOT-23-TT3_L [mm] "SOT23, 3-Leads, Body 2.9x1.3mm, Pitch 0.95mm, Lead Span 2.4mm, IPC High Density"
  rect 1.2x0.6 smd: 1(-0.9,0.95) 2(-0.9,-0.95) 3(0.9,0)
  silkscreen extent -1.02,-1.55 0.7,1.92, body extent -1.28,-1.5 1.27,1.5, height 1
SOT-323 [mm] "SOT-323 (SC-70) Body 2.0 x 1.25 Height 1.1mm"
  rect 0.9x0.7 smd: 1(-0.95,0.65) 2(-0.95,-0.65) 3(0.95,0)
  silkscreen extent -0.17,-1.1 0.67,1.1, body extent -0.67,-1.1 0.67,1.1, height 1
SOT-523 [mm] "SOT-523 1.7 x .85 height = .0.9mm"
  rect 0.85x0.3 smd: 1(-0.8,0.5) 2(-0.8,-0.5) 3(0.8,0)
  silkscreen extent -0.05,-0.85 0.42,0.87, body extent -0.43,-0.85 0.43,0.85, height 0.9
SSOP28 [mm]
  rect 1.75x0.45 smd mask+0.05: 1(-3.6,4.225) 2(-3.6,3.575) 3(-3.6,2.925) 4(-3.6,2.275) 5(-3.6,1.625) 6(-3.6,0.975) 7(-3.6,0.325) 8(-3.6,-0.325) 9(-3.6,-0.975) 10(-3.6,-1.625) 11(-3.6,-2.275) 12(-3.6,-2.925) 13(-3.6,-3.575) 14(-3.6,-4.225) 15(3.6,-4.225) 16(3.6,-3.575) 17(3.6,-2.925) 18(3.6,-2.275) 19(3.6,-1.625) 20(3.6,-0.975) 21(3.6,-0.325) 22(3.6,0.325) 23(3.6,0.975) 24(3.6,1.625) 25(3.6,2.275) 26(3.6,2.925) 27(3.6,3.575) 28(3.6,4.225)
  body extent -2.65,-5.1 2.65,5.1, height 2
SSOP-20 [mm] "SSOP, 20-Leads, Body 7.5mm x 8mm, Pitch 0.65mm"
  rect 1.9x0.35 smd: 1(-3.575,2.925) 2(-3.575,2.275) 3(-3.575,1.625) 4(-3.575,0.975) 5(-3.575,0.325) 6(-3.575,-0.325) 7(-3.575,-0.975) 8(-3.575,-1.625) 9(-3.575,-2.275) 10(-3.575,-2.925) 11(3.575,-2.925) 12(3.575,-2.275) 13(3.575,-1.625) 14(3.575,-0.975) 15(3.575,-0.325) 16(3.575,0.325) 17(3.575,0.975) 18(3.575,1.625) 19(3.575,2.275) 20(3.575,2.925)
  silkscreen extent -4.47,-3.73 2.35,3.78, body extent -3.95,-3.67 3.95,3.66, height 1.98
"TERM BLK 2 Pos 2.54mm" [mm] "Terminal Block 2 Position 2.54mm Pitch"
  rect 1.4x1.4 hole 1: 1(-1.27,0)
  round 1.4 hole 1: 2(1.27,0)
  silkscreen extent -2.54,-1.27 2.54,1.27, body extent -2.72,-3.25 2.73,3.25, height 10
"Test Point 1mm"#1 [mil]
  round 40 hole 20 mask+1.97: 1(21.67,-10.29)
"Test Point 1mm"#2 [mil]
  round 40 hole 20 mask+1.97: 1(65.12,-5.15)
"Test Point 1mm"#3 [mil]
  round 40 hole 20 mask+1.97: 1(157.48,0)
"Test Point 1mm"#4 [mil]
  round 40 hole 20 mask+1.97: 1(1.99,-13.83)
"Test Point 1mm"#5 [mil]
  round 40 hole 20 mask+1.97: 1(58.11,-5.15)
"Test Point 1mm"#6 [mil]
  round 40 hole 20 mask+1.97: 1(-535.43,720.46)
"Test Point 1mm"#7 [mil]
  round 40 hole 20 mask+1.97: 1(0,0)
"Test Point 1mm"#8 [mil]
  round 40 hole 20 mask+1.97: 1(-15.74,0)
"Test Point 1mm"#9 [mil]
  round 40 hole 20 mask+1.97: 1(-35.43,27.52)
"Test Point 1mm"#10 [mil]
  round 40 hole 20 mask+1.97: 1(-106.3,27.52)
"Test Point 1mm"#11 [mil]
  round 40 hole 20 mask+1.97: 1(-39.37,27.51)
"Test Point 1mm"#12 [mil]
  round 40 hole 20 mask+1.97: 1(-161.41,31.48)